# Allegro board IMX28x_TEST_V10A.brd (continued)
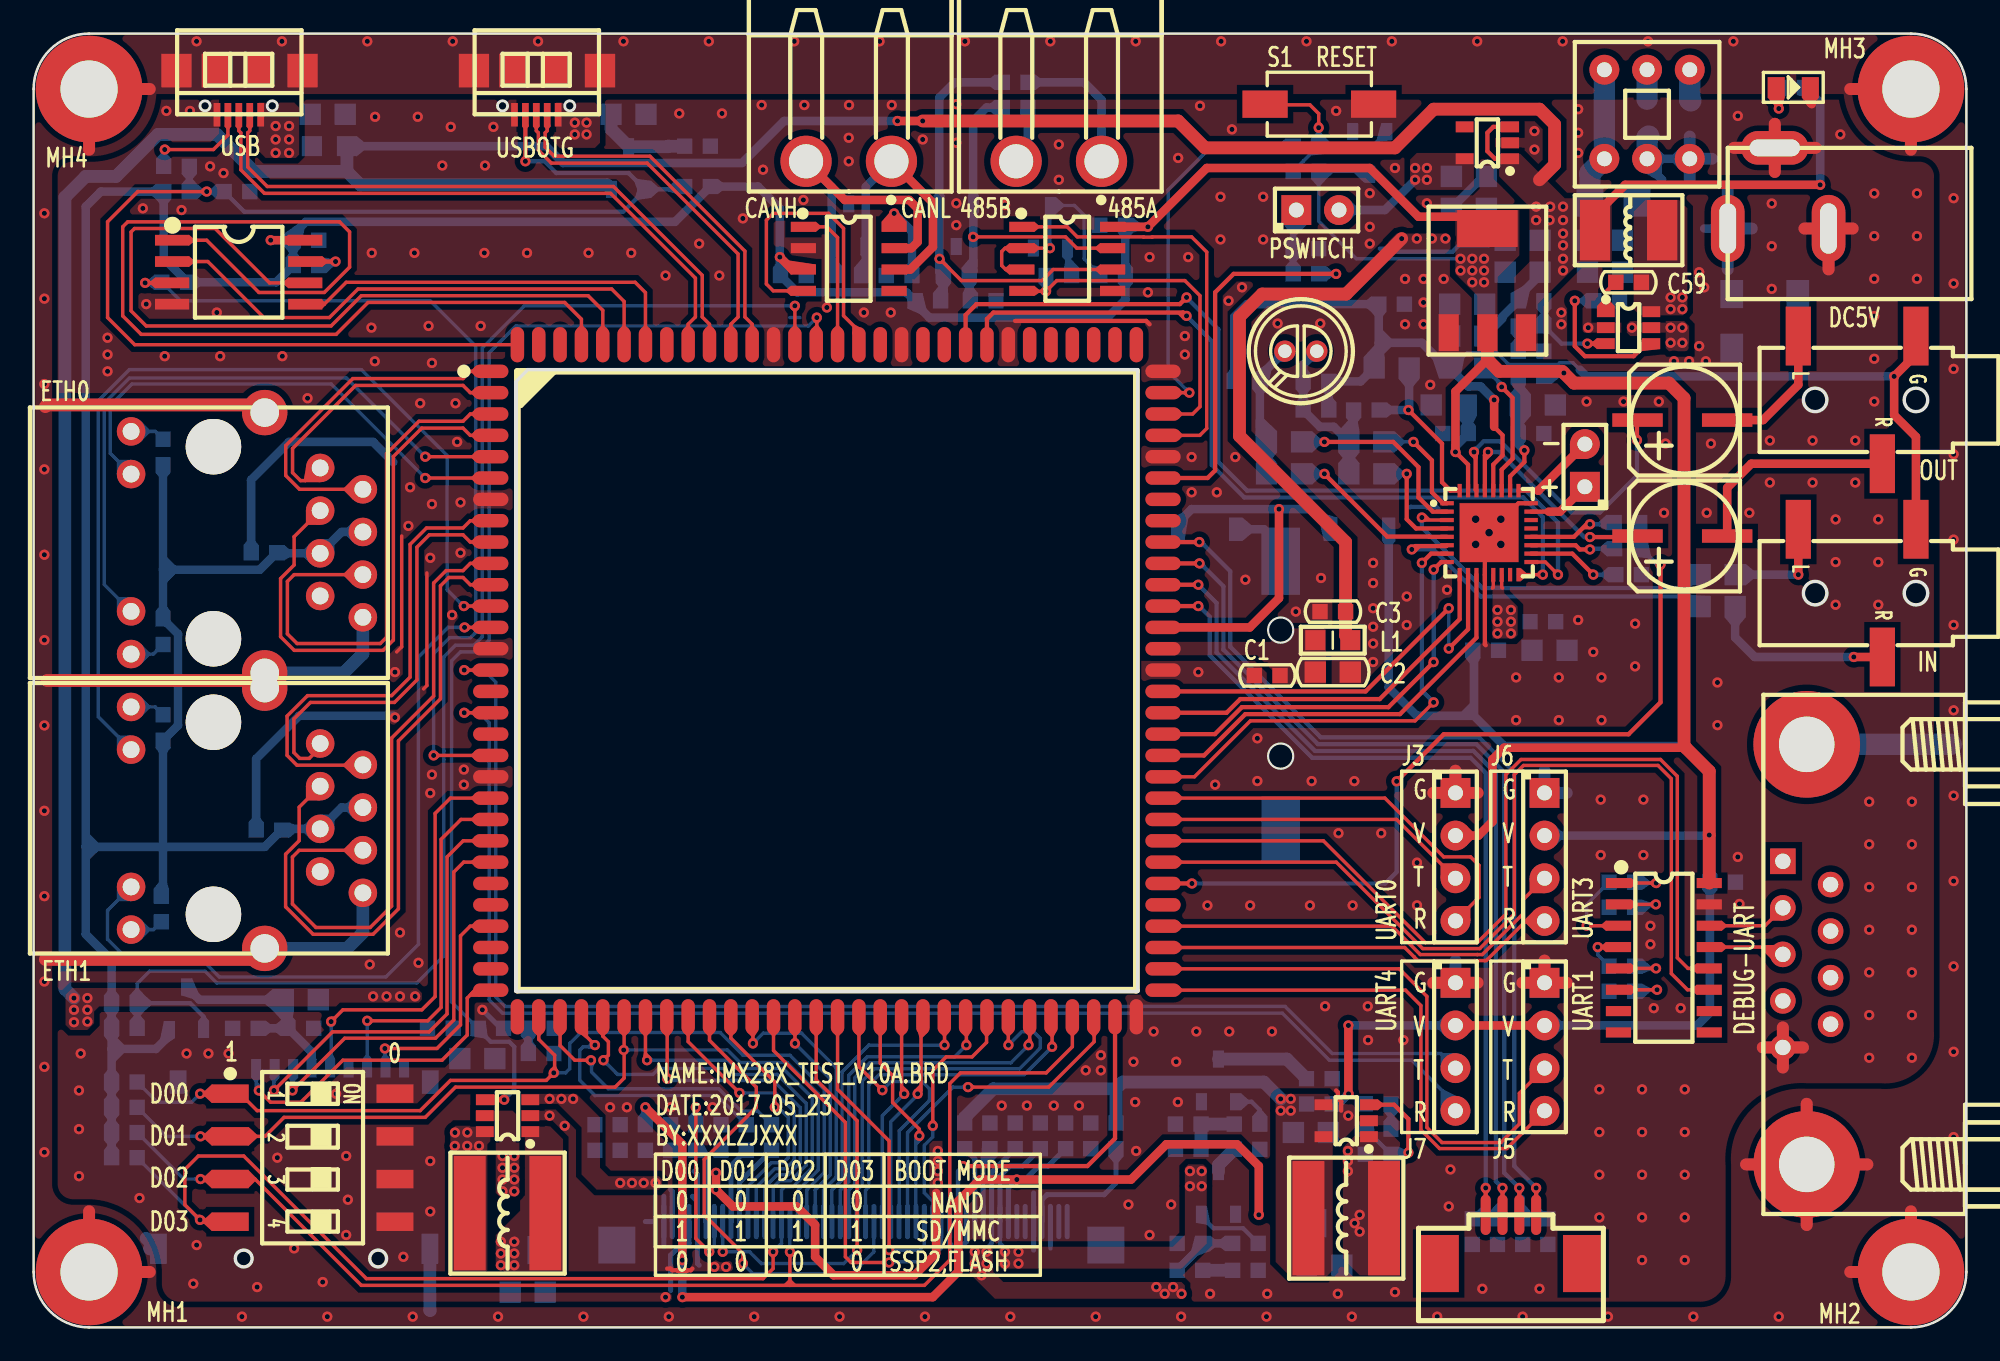
[diagram p0: board, top side]
## Routing (per net, layer and track width the routed paths; a pad name or vN(x,y) marks a point on that pad's centre or on a via; arc(x,y) is an arc through that point) (continued)
SD0_DATA3: length 25.9
  TOP w0.203: v1(14.3,14.1) 17.79,17.59 23.53,17.59 24.6,18.66 24.6,28 25.56,28.96 U1.23
  BOTTOM w0.203: v1(14.3,14.1) 14.3,15.38 U9.2
SD0_PWR_EN: length 87
  TOP w0.203: U1.107 v1(45.3,60.8)
  BOTTOM w0.203: v1(45.3,60.8) 29.2,60.8 26.7,58.3 26.7,41.1 26.2,40.6 25.1,40.6 24.4,39.9 24.4,34.3 24.41,34.29 24.41,33.79 24.4,33.78 24.4,22.1 22.8,20.5 10.9,20.5 10.2,21.2 6.9,21.2 6.16,20.46 R34.1
  BOTTOM w0.254: Q2.1 10.12,18.49 9.31,19.3 R34.1 C30.1
SSP2_MISO: length 31.9
  TOP w0.203: 8.24,63.44 10.37,63.44 13.7,60.1 17.6,60.1 19.3,61.8 34.39,61.8 35.13,61.06 U1.115
SSP2_MOSI: length 24.1
  TOP w0.203: U1.114 36.41,61.58 35.79,62.2 18.6,62.2 17.3,60.9 16.16,60.9
SSP2_SCK: length 48.1
  TOP w0.203: U10.6 14.04,62.16 10.8,65.4 6,65.4 5.8,65.2 5.8,60.5 6.7,59.6 17.7,59.6 19.5,61.4 33,61.4 33.87,60.53 U1.116
SSP2_SS0: length 64.2
  TOP w0.203: U10.1 8.24,64.7 10.3,64.7 13.41,61.59 17.29,61.59 18.8,63.1 18.8,65.2 18.2,65.8 5.6,65.8 5.3,65.5 5.3,60.2 6.4,59.1 18,59.1 19.9,61 31.6,61 32.59,60.01 U1.117
U/D: length 4.5
  BOTTOM w0.3: R24.2 56.5,10.24 J1.40
UART0_RXD: length 24.3
  TOP w0.203: U1.70 80.4,31.5 83.9,28 85.5,28 86,27.5 86,25.59 J3.4
UART0_TXD: length 18.8
  TOP w0.203: U1.69 81.1,30.23 J3.3
UART1_RXD: length 31.9
  TOP w0.203: J5.4 87.65,10.64 83.65,10.64 82.54,11.75 82.54,19.16 81.63,20.07 U1.61
UART1_TXD: length 34.5
  TOP w0.203: J5.3 88.4,13.93 88.4,12.1 87.3,11 83.8,11 82.9,11.9 82.9,19.7 81.26,21.34 U1.62
UART2_RXD: length 24.9
  TOP w0.203: U1.87 69.39,53.09 69.8,53.5 69.8,64 68.9,64.9 66.56,64.9 66.55,64.89 66.05,64.89 66.04,64.9 62.1,64.9 61.5,65.5 U6.1
UART2_TXD: length 21.2
  TOP w0.203: U6.4 58.83,61.66 v1(60.24,61.66) 60.88,62.3 68.5,62.3 69.4,61.4 69.4,54.8 68.96,54.36 U1.88
  BOTTOM w0.203: R30.1 v1(60.24,61.66)
UART3_RXD: length 24
  TOP w0.203: U1.63 81.58,22.61 82.15,22.04 82.36,21.83 85.75,21.83 86.43,21.83 88.79,24.19 J6.4
UART3_TXD: length 25.8
  TOP w0.203: J6.3 88.6,25.43 88.6,24.59 86.19,22.19 85.9,22.19 82.51,22.19 80.81,23.88 U1.64
UART4_RXD: length 80.3
  TOP w0.203: U1.17 v1(25.62,36.58)
  BOTTOM w0.203: v1(25.62,36.58) 26.52,36.58 27.1,36 27.1,19.5 27.9,18.7 74.3,18.7 77.1,15.9 82,15.9 84.6,13.3 J7.4
UART4_TXD: length 81.3
  TOP w0.203: U1.15 v1(25.62,39.12)
  BOTTOM w0.203: v1(25.62,39.12) 26.78,39.12 27.5,38.4 27.5,19.67 28.07,19.1 74.47,19.1 77.27,16.3 83.73,16.3 J7.3
USB_DM: length 37.2
  TOP w0.203: U1.111 40.22,59.7 39.78,60.14 39.78,62.62 34.5,67.9 13.9,67.9 12.74,69.06 12.74,71.1 12.86,71.22 USB1.2
USB_DP: length 37.2
  TOP w0.203: U1.112 38.95,59.7 39.38,60.14 39.38,62.45 34.33,67.49 13.73,67.49 12.33,68.89 12.33,71.1 12.21,71.22 USB1.3
USBOTG_DM: length 22.2
  TOP w0.203: USB2.2 30.56,71.22 30.44,71.1 30.44,70.24 30.97,69.7 36.67,69.7 42.32,64.05 42.32,60.14 42.76,59.7 42.76,58.48
USBOTG_DP: length 22.2
  TOP w0.203: U1.110 41.48,59.7 41.92,60.14 41.92,63.88 36.51,69.29 30.81,69.29 30.03,70.07 30.03,71.1 29.91,71.22 USB2.3
USBOTG_ID: length 80.1
  TOP w0.203: v1(10.3,67.6) 6.2,67.6 4.4,65.8 4.4,60.1 6.01,58.48 U1.120
  TOP w0.254: USB2.4 v1(29.26,69.4)
  BOTTOM w0.254: Q3.1 38.57,67.73 R39.1 ; Q3.1 36.37,67.73 35.4,68.7 31.1,68.7 30.4,69.4 v1(29.26,69.4) ; Q3.1 35.09,66.4 12.54,66.4 R37.1 v1(10.3,67.6) R38.1 R36.2
USBOTG_VBUS: length 5.7
  BOTTOM w0.762: C34.1 34.36,71.31 Q3.3 37.74,70.27 37.77,70.3 R40.2
  vias: v1(32.2,71.7) v1(32.2,71) v1(32.9,71.7) v1(32.9,71)
V_LED+: length 6.6
  BOTTOM w0.3: 37.5,7.8 J1.2 37.5,4.8 ; J1.1 36.4,6.3 ; J1.1 37,7.8 ; J1.1 37,4.8
  vias: v1(27.9,10.2) v1(27.9,9.5) v1(27.9,8.8) v1(27.9,8.1) v1(28.6,10.2) v1(28.6,9.5) v1(28.6,8.8) v1(28.6,8.1)
V_LED-: length 4.8
  BOTTOM w0.3: J1.4 38.5,7.7 ; J1.3 38,7.8 38,8.1 37.9,8.2
  BOTTOM w0.508: R7.2 R8.2
  vias: v1(30.7,13.6) v1(31.4,13.6) v1(32.1,13.6) v1(34.9,8.6) v1(35.6,8.6) v1(36.3,8.6) v1(37,8.6)
V_LED_L:
  vias: v1(27.8,5.1) v1(27.8,4.4) v1(27.8,3.7) v1(28.6,5.1) v1(28.6,4.4) v1(28.6,3.7)
VCOM: length 9.5
  BOTTOM w0.3: 39.6,3.7 39.5,3.8 J1.6 39.5,7.5 ; 59.5,8 J1.46 59.5,4.6 ; 39.3,9.3 39.5,9.1 39.5,7.5 ; 39.5,7.5 39.2,7.8
VGH: length 10.8
  BOTTOM w0.254: J1.41 57,5 56.7,4.7 v1(56.7,4.5)
  BOTTOM w0.3: C18.2 57,9.24 J1.41
  BOTTOM w0.508: R13.1 C9.2 69.56,4.92 R14.2
  vias: v1(56,4.5) v1(56,3.8) v1(56.4,3.1) v1(56.7,3.8) v1(66.8,2.4) v1(67.3,2) v1(67.8,2.4) v1(68.3,2)
VGL: length 10.8
  BOTTOM w0.254: J1.42 57.5,5 57.7,4.8
  BOTTOM w0.3: J1.42 57.5,9 58.1,9.6 58.86,9.6 C19.2
  BOTTOM w0.762: C7.2 R12.2 R11.1
  vias: v1(57.8,4.5) v1(57.8,3.8) v1(58.6,4.5) v1(58.6,3.8) v1(68.8,9.3) v1(68.8,8.4) v1(69.5,9.3) v1(69.5,8.4)
N13700908: length 6.4
  TOP w0.203: USB1.4 11.56,70.96 10.7,70.1 v1(7.8,70.1)
  BOTTOM w0.203: R36.1 7.74,70.04 v1(7.8,70.1)
N13770851:
  vias: v1(14.4,71.5) v1(14.4,70.7) v1(14.4,69.9) v1(15.2,71.5) v1(15.2,70.7) v1(15.2,69.9)
N13785961: length 11.9
  TOP w0.203: v1(76.46,71.4) 76.46,72.24 75.94,72.76 73.31,72.76 S1.1
  BOTTOM w0.203: 75.56,69.42 76.44,70.3 R57.2 ; 75.56,69.42 75.58,69.42 ; 75.56,69.42 R1.2 ; R57.2 v1(76.46,71.4) ; R57.2 79.65,70.3 U23.2
N16209172: length 2.1
  BOTTOM w0.203: J10.9 7.24,53.33 R43.2
N16209176: length 2.1
  BOTTOM w0.203: R44.2 7.14,40.08 J10.12
N16267355: length 4
  BOTTOM w0.508: BAT1.1 74.2,46.5 73.2,47.5 D9.1
N16371192: length 3.6
  TOP w0.203: U4.1 v1(96.55,26.45)
  BOTTOM w0.203: C23.1 95.32,26.45 v1(96.55,26.45)
N16371196: length 3.6
  TOP w0.203: U4.5 v1(96.53,21.36)
  BOTTOM w0.203: C27.2 95.4,21.36 v1(96.53,21.36)
N16371208: length 2.6
  TOP w0.203: U4.4 v1(93.06,22.64)
  BOTTOM w0.203: v1(93.06,22.64) 93.06,22.17 C27.1
N16371212: length 5
  TOP w0.203: U4.3 v1(92.41,23.91)
  BOTTOM w0.203: v1(92.41,23.91) 92.41,25.17 C23.2
N16371216: length 4.6
  TOP w0.203: J4.3 103.64,22.64 U4.13
N16371228: length 4.8
  TOP w0.203: U4.14 103.02,23.91 J4.2
N16371252: length 3.7
  TOP w0.203: U4.6 v1(96.59,20.09)
  BOTTOM w0.203: v1(96.59,20.09) 95.36,20.09 C25.2
N16774335: length 2.1
  BOTTOM w0.203: J11.9 7.24,36.92 R45.2
N16774339: length 2
  BOTTOM w0.203: R46.2 7.14,23.68 J11.12
N16775756: length 7.4
  TOP w0.254: v1(88.7,52.2) 88.7,51.5 87.85,50.65 U14.26
  BOTTOM w0.508: v1(88.7,52.2) 88.34,52.56 C45.1 88.34,54.78 C46.1 88.46,56.48 R50.1
N16775832: length 5.3
  TOP w0.254: U14.20 91.65,47.05 92.4,47.8 v1(92.6,47.8)
  BOTTOM w0.254: C51.1 93.94,47.8 v1(92.6,47.8)
N16775856: length 5.1
  TOP w0.254: U14.19 91.75,46.55 92,46.3 v1(92.6,46.3)
  BOTTOM w0.254: C54.1 92.64,46.34 v1(92.6,46.3)
N16775910: length 5.6
  TOP w0.254: U14.18 91.55,46.05 v1(92.8,44.8)
  BOTTOM w0.254: v1(92.8,44.8) R51.1
N16775940: length 1.6
  TOP w0.203: U14.14 87.35,44.05 87.4,44 ; 86.8,44 86.85,44.05 U14.13
  vias: v1(87.1,42.7) v1(87.1,42) v1(87.1,41.3) v1(87.9,42.7) v1(87.9,42) v1(87.9,41.3)
N16776264: length 20.8
  TOP w0.254: U14.6 84.05,46.5 82.2,46.5 v1(82,46.3)
  BOTTOM w0.254: v1(82,46.3) 83.3,46.3 86.1,43.5 98.56,43.5 C53.1
N16776268: length 10.2
  TOP w0.254: v1(76.8,50.8) 80.53,47.07 83.02,47.07 83.04,47.05 U14.5
  BOTTOM w0.203: v1(76.8,50.8) C52.1
N16776300: length 6.7
  TOP w0.254: U14.4 82.25,47.55 81.7,48.1 v1(81.7,50.8)
  BOTTOM w0.203: v1(81.7,50.8) C50.1
N16776312: length 20.5
  TOP w0.203: U14.3 82.75,48.05 v1(82.6,48.2)
  BOTTOM w0.254: C49.1 98.36,44 86.2,44 82.6,47.6 v1(82.6,48.2)
N16776324: length 11.4
  TOP w0.254: U14.2 83.25,48.55 82.4,49.4 82.4,51.2 80.9,52.7 v1(76.8,52.7)
  BOTTOM w0.203: v1(76.8,52.7) C48.1
N16776336: length 6.4
  TOP w0.254: v1(82.1,52.7) 83.2,51.6 83.2,49.7 83.85,49.05 U14.1
  BOTTOM w0.203: v1(82.1,52.7) C47.1
N16776356: length 6.5
  TOP w0.508: v1(105,44.8) U13.2
  BOTTOM w0.508: C49.2 v1(105,44.8)
N16776368: length 11.1
  TOP w0.508: v1(108.3,39.9) U13.1
  BOTTOM w0.508: C53.2 101.24,41.06 102.4,39.9 v1(108.3,39.9)
N16776380: length 11.3
  BOTTOM w0.508: C47.2 78.54,52.98 R47.1 ; C47.2 77.36,53.6 76.54,53.6 R48.2 C42.1 75.54,57.29 U12.1 ; C47.2 C50.2
N16776396: length 8.1
  BOTTOM w0.508: C52.2 C48.2 72.96,53.1 R49.1 72.96,56.61 U12.2
N16776472: length 12.7
  TOP w0.508: C38.2 100.77,49.97 102.2,51.4 U11.1
N16776476: length 8
  TOP w0.508: C39.2 102.9,54 105,56.1 U11.2
N16776480: length 13.4
  TOP w0.254: C38.1 95.37,47.04 v1(92.6,47.04) ; U14.29 86.35,51.91 86.44,52 v1(86.54,52.1)
  BOTTOM w0.254: v1(92.6,47.04) 92.26,47.04 87.2,52.1 v1(86.54,52.1)
N16776488: length 18.3
  TOP w0.254: C39.1 95.4,53.97 v1(95.4,52.8) ; U14.30 85.8,49.85 85.8,52 v1(85.7,52.1)
  BOTTOM w0.254: v1(95.4,52.8) 95.4,50.7 93.2,48.5 91.5,48.5 87.27,52.73 86.27,52.73 85.7,52.16 v1(85.7,52.1)
N16776536: length 8.3
  TOP w0.254: v1(87.35,55.97) 88,55.32 88,51.7 87.35,51.05 U14.27
  BOTTOM w0.254: v1(87.35,55.97) 87.35,56.09 C44.2
N16776624: length 10.6
  TOP w0.254: v1(81.8,54.6) 83.8,52.6 83.8,50.3 84.3,49.8 U14.32
  BOTTOM w0.508: C43.1 81.84,54.64 v1(81.8,54.6) R47.2
N16777489: length 2.9
  TOP w0.254: 16.16,63.44 v1(17.96,63.44)
  BOTTOM w0.254: R42.1 17.2,63.44 v1(17.96,63.44)
N16783317: length 13.9
  TOP w0.203: U6.3 57.84,62.96 57.6,63.2 57.6,64.03 57.8,64.23 U6.2 v1(60.47,64.23)
  BOTTOM w0.203: v1(60.47,64.23) 60.47,66.74 Q1.3 61.93,66.77 62.5,66.2 62.5,63.6 63.44,62.66 R28.1
N16783369: length 27.6
  TOP w0.203: v1(53.9,63.6) 55.2,62.3 60,62.3 60.66,62.96 U6.6
  BOTTOM w0.203: 53.88,63.7 53.9,63.68 v1(53.9,63.6)
  BOTTOM w0.508: R29.2 54.8,74.1 53.88,73.18 U5.1 53.88,62.85 R27.1 54.14,61.28 R31.2
N16783371: length 21.5
  TOP w0.203: U6.7 62.07,64.23 61.4,64.9 v1(55.9,64.9)
  BOTTOM w0.203: 55.92,64.88 v1(55.9,64.9)
  BOTTOM w0.508: R26.2 56.7,72.6 55.9,71.8 55.9,66.89 U5.2 55.92,62.85 R27.2 55.66,61.18 R25.1
N16783519: length 4.9
  TOP w0.508: U7.8 v1(51.2,66.3)
  BOTTOM w0.508: R32.2 52.26,65.24 v1(51.2,66.3)
N16786400: length 4.6
  BOTTOM w0.3: R60.1 41.5,9.64 J1.10
N16786402: length 5
  BOTTOM w0.3: J1.11 42,8.64 R61.1
N16794842:
  vias: v1(78.2,10.5) v1(78.2,9.9) v1(78.2,9.3) v1(78.6,6.2) v1(78.9,6.7) v1(78.9,5.7)
N16795033: length 1.5
  BOTTOM w0.254: R17.1 R18.2
N16795278: length 7.9
  TOP w0.254: v1(81.8,10.4) 81.8,12.4 80.95,13.25 U3.3
  BOTTOM w0.254: v1(81.8,10.4) 80.86,10.4 R16.1 79.26,11.8 R17.2
N16795987: length 1.8
  BOTTOM w0.762: R14.1 R15.2
N16796266: length 4.2
  BOTTOM w0.254: D5.2 69.48,6.62 70.2,5.9 71.96,5.9 R13.2
N16797229: length 2.5
  BOTTOM w0.254: R11.2 72.96,12.94 72.47,13.43 D4.1
N16798591: length 20.8
  BOTTOM w0.508: U15.6 U15.5 96,69.2 96.9,68.3 ; DC1.1 99.4,65.4
  BOTTOM w0.711: U15.6 98.54,70.87 ; U15.6 98.54,68.23 ; U15.6 99.86,69.55 ; 100.8,62.97 DC1.1 ; DC1.1 100.8,67.83 ; DC1.1 102.23,65.4
  BOTTOM w1.27: U15.2 96,73.1 ; U15.5 96,70.8 96.1,70.9 ; 98.6,73 98.54,73.06 U15.1
N16798604:
  vias: v1(95.1,59.5) v1(97.4,59.5) v1(97.4,58.6) v1(98.1,59.5) v1(98.1,58.6)
N16798618:
  vias: v1(97.4,61.3) v1(97.4,60.6) v1(98.1,61.3) v1(98.1,60.6)
N16798622: length 5.6
  TOP w0.254: U16.3 v1(92.45,58.55)
  BOTTOM w0.254: R56.1 R54.2 90.91,58.55 v1(92.45,58.55)
N16798699: length 2
  TOP w0.254: C59.2 93.55,61.61 U16.1
N16798719: length 9
  TOP w0.254: U16.4 95.95,58.55 95.2,57.8 92.3,57.8 91.7,58.4 v1(91.7,61.1)
  BOTTOM w0.254: v1(91.7,61.1) R55.1
N16798977: length 1.5
  BOTTOM w0.254: R54.1 R53.2
N16799346: length 8.2
  BOTTOM w1.27: F1.1 92.6,68.69 U15.4 U15.3
N16804520: length 3.9
  BOTTOM w0.254: R59.2 R58.1 74.94,66.31 J13.1
N16806519: length 2.6
  TOP w0.508: v1(103.84,72.54) 103.84,73.65 D10.1
  BOTTOM w0.508: R72.1 v1(103.84,72.54)
N163713028: length 3.6
  TOP w0.203: U4.2 v1(96.53,25.18)
  BOTTOM w0.203: v1(96.53,25.18) 95.44,25.18 C24.2
N167832841: length 1.7
  BOTTOM w0.203: R30.2 61.52,62.85 Q1.1
N167955290: length 1.7
  BOTTOM w0.762: D5.3 70.5,9.66 C8.1
N167971860: length 5.7
  BOTTOM w0.762: C6.1 74.57,15.97 D4.3

## Copper pours and planes (outline as drawn; the poured copper is in the pictures)
AGND on BOTTOM (solid shape): 85.03,57.84 85.11,57.8 85.14,57.72 84.89,56.47 84.24,57.08 83.62,57.73
AGND on BOTTOM (solid shape): 84.89,57.73 84.31,57.06 83.62,56.47 83.21,57.7 83.27,57.9 83.47,57.99
AVDD on BOTTOM: 71.1,7.2 77.2,7.2 78.8,8.8 78.8,10.8 79.7,10.8 79.7,8.4 77,5.7 77,5 76.4,4.4 76.4,3 75.1,3 75.1,5.1 74,6.2 71.1,6.2
GND on BOTTOM: 1.3,68.4 1.57,69.16 2.3,69.5 3.3,69.5 6.09,70.56 7.5,73.2 107.5,73.2 108.91,70.57 111.7,69.5 112.1,69.5 112.86,69.23 113.2,68.5 113.2,17.6 112.21,15.32 109.9,14.4 105.5,14.4 102.05,13.15 100.8,9.7 100.8,3.2 100.37,1.97 99.2,1.4 8.7,1.4 7.83,1.87 7.5,2.8 7.5,3.3 6.18,6.25 3.2,7.5 2.3,7.5 1.6,7.87 1.3,8.6 ; 40 cut-outs
GND_EARTH on TOP: 3.3,0.1 1.04,1.04 0.1,3.3 0.1,73.4 0.11,73.98 0.21,74.55 1.36,76.25 3.3,76.9 111.7,76.9 113.96,75.96 114.9,73.7 114.9,3.3 113.95,1.05 111.7,0.1 ; 1 cut-out
GND_EARTH on BOTTOM: 3.3,0.1 1.04,1.04 0.1,3.3 0.1,73.4 0.11,73.98 0.21,74.55 1.36,76.25 3.3,76.9 111.7,76.9 113.96,75.96 114.9,73.7 114.9,3.3 113.95,1.05 111.7,0.1 ; 1 cut-out
VCC_2.5V_OUT on TOP: 85.7,69.9 82.3,69.9 81.9,69.5 81.9,68.1 82.3,67.7 85.5,67.7 85.7,67.9
VCC_2.5V_OUT on BOTTOM: 85.1,67.7 85.1,69.2 84.9,69.4 82.2,69.4 81.9,69.1 81.9,68.1 82.3,67.7
VCC_3.3V_OUT on TOP: 84.6,66.5 88.4,66.5 88.4,63.8 87.1,62.5 87.1,58.1 85.9,58.1 85.9,61.4 84.6,62.7
VCC_3.3V_OUT on BOTTOM: 87,60.3 87,63.5 86.5,64 84.8,64 84.6,63.8 84.6,62.7 85.7,61.6 85.7,60.3
VCC_3.8V_OUT on TOP: 89.5,58.1 89.5,60.9 92,63.4 93.8,63.4 93.9,63.5 93.9,67.2 91.1,67.2 88.4,69.9 87.2,69.9 87.2,68.5 89,66.7 89,63.4 88.1,62.5 88.1,58.1
VCC_3.8V_OUT on TOP: 3.9,19.1 22.9,19.1 23.1,19.3 23.1,19.9 22.8,20.2 2.3,20.2 1.9,19.8 1.9,18 2.2,17.7 3.2,17.7 3.6,18.1 3.6,18.8
VCC_3.8V_OUT on TOP: 84.1,65.1 81.1,65.1 80.6,64.6 80.6,64.2 80.9,63.9 84,63.9 84.3,64.2 84.3,64.9
VCC_3.8V_OUT on BOTTOM: 23.9,17.3 23.9,19.7 23.4,20.2 20.1,20.2 19.8,19.9 19.8,19.3 20.1,19 22.1,19 22.9,18.2 22.9,17.3
VCC_3.8V_OUT on BOTTOM: 89,62.1 90.7,62.1 91.3,62.7 91.3,66.9 90.9,67.3 85.7,67.3 85.7,65.9 88.4,65.9 89,65.3
VCC_3.8V_OUT on BOTTOM: 87,67.2 85.9,67.2 85.8,67.3 83.6,65.1 81.2,65.1 81.1,65 81.1,64.5 81.2,64.4 84.2,64.4 84.6,64.8 86.3,64.8 87,65.5
VCC_3.8V_OUT on BOTTOM: 2.2,17.7 3.4,17.7 3.6,17.9 3.6,19.8 3.4,20 2.2,20 2,19.8 2,17.9
VCC_RTC on BOTTOM (solid shape): 68.45,48.53 68.64,48.46 68.73,48.27 68.47,46.8 67.96,47.27 67.67,48.2
VCC_RTC on BOTTOM (solid shape): 77.57,48.2 77.21,47.45 76.77,46.8 76.45,48.19 76.52,48.37 76.7,48.45
VDD_3P3V on TOP: 77.3,13.6 77.3,3.4 76.9,3 74.8,3 73.9,3.9 73.9,13.4 74.4,13.9 77,13.9
VDD_3P3V on TOP: 54.3,7.7 54.3,10.9 54.1,11.1 53.5,11.1 53.3,10.9 53.3,7.9 53.6,7.6 54.2,7.6
VDD_3P3V on BOTTOM: 55.8,12.6 54.1,12.6 53.2,11.7 53.2,8 53.7,7.5 54.3,7.5 54.4,7.6 54.4,11 55.1,11.7 55.9,11.7 55.9,12.5
VDD_3P3V on BOTTOM: 38.9,11.1 41.4,11.1 41.4,9.4 41.1,9.1 41.1,8.1 40.8,7.8 40.1,7.8 39.9,8 39.9,9 40,9.1 38.9,10.2
VDD_3P3V on BOTTOM: 75.6,10.9 75.6,12.2 76.2,12.8 76.2,13.8 76.1,13.9 74.1,13.9 73.9,13.7 73.9,11.2 74.2,10.9
VDD_5V on TOP: 27,3.4 27,10.9 27.4,11.3 27.4,12 25.1,12 24.8,11.7 24.8,3.3 26.9,3.3
VDD_5V on BOTTOM: 24.5,18.3 24.5,11 25,10.5 26.6,10.5 26.8,10.7 26.8,11.5 26,12.3 26,16.7 25.4,17.3 25.4,18.3
VDD_CORE on TOP: 66.4,40 72.8,40 73.7,39.1 73.7,38.3 76.9,38.3 76.9,41.5 76.8,41.6 74.4,41.6 73.6,40.8 66.4,40.8
(no net) on TOP: 8.7,1.4 7.83,1.87 7.5,2.8 7.5,3.3 6.18,6.25 3.2,7.5 2.3,7.5 1.6,7.87 1.3,8.6 1.3,22.1 21.2,22.1 21.2,54.9 1.3,54.9 1.3,68.4 1.57,69.16 2.3,69.5 3.3,69.5 6.09,70.56 7.5,73.2 107.5,73.2 108.91,70.57 111.7,69.5 112.1,69.5 112.86,69.23 113.2,68.5 113.2,17.6 112.21,15.32 109.9,14.4 105.5,14.4 102.05,13.15 100.8,9.7 100.8,3.2 100.37,1.97 99.2,1.4 ; 54 cut-outs
LCD_D00 on TOP (solid shape): 11.73,13.91 10.6,13.36 10.07,13.85 10.05,13.91 10.07,13.97 10.6,14.46
LCD_D01 on TOP (solid shape): 11.73,11.37 10.6,10.82 10.07,11.31 10.05,11.37 10.07,11.43 10.6,11.92
LCD_D01 on TOP (solid shape): 13.33,11.43 13.35,11.37 13.33,11.31 12.8,10.82 11.67,11.37 12.8,11.92
LCD_D02 on TOP (solid shape): 13.25,8.89 13.27,8.83 13.25,8.77 12.8,8.32 11.67,8.83 12.8,9.34
LCD_D02 on TOP (solid shape): 11.73,8.83 10.6,8.28 10.07,8.77 10.05,8.83 10.07,8.89 10.6,9.38
LCD_D03 on TOP (solid shape): 11.73,6.29 10.6,5.74 10.07,6.23 10.05,6.29 10.07,6.35 10.6,6.84
USBOTG_VBUS on TOP: 31,72.9 33.4,72.9 33.7,72.6 33.7,70.5 33.4,70.2 31.3,70.2 30.9,70.6 30.9,72.8
USBOTG_VBUS on BOTTOM: 35,72.8 35,71.6 35.8,70.8 35.8,69.8 35.7,69.7 35.2,69.7 34.8,70.1 32.1,70.1 31.5,70.7 31.5,72.5 31.8,72.8
V_LED+ on TOP: 26.3,12.9 28.5,12.9 28.9,12.5 28.9,8 28.7,7.8 27.7,7.8 27.5,8 27.5,12.1 27.3,12.3 26.3,12.3
V_LED+ on BOTTOM: 29.8,1.4 31.9,1.4 32.5,2 37,2 37.6,2.6 37.6,5 36.8,5 36.6,5.2 36.6,7.4 36.8,7.6 37.5,7.6 37.6,7.7 37.6,7.9 37.5,8 34.3,8 33.9,8.4 33.9,11 33.8,11.1 28.3,11.1 27.6,10.4 27.6,7.2 29.4,5.4 29.4,3.2 29.8,2.8
V_LED- on TOP: 37.2,8.2 33.5,8.2 32.6,9.1 32.6,11.9 31.2,13.3 29,13.3 29,13.9 32.3,13.9 33.7,12.5 33.7,9.5 34.2,9 37.2,9 37.4,8.8 37.4,8.4
V_LED- on BOTTOM: 29,16.8 29,14.5 30.2,13.3 32.2,13.3 32.5,13.6 32.5,14.2 32.2,14.5 30.4,14.5 29.9,15 29.9,16.8
V_LED- on BOTTOM: 38.7,7.6 38.7,8.2 38,8.9 34.8,8.9 34.6,8.7 34.6,8.5 34.8,8.3 37.5,8.3 37.8,8 37.8,7.6
V_LED_L on TOP: 29,12 30.7,12 31.5,11.2 31.5,3.3 28,3.3 27.5,3.8 27.5,5.5 28.95,6.95 28.95,11.95
V_LED_L on BOTTOM: 25.4,5.5 28.7,5.5 29,5.2 29,3.6 28.8,3.4 25.7,3.4 25.4,3.7
VCOM on BOTTOM: 39.3,5 39.3,2.1 39.8,1.6 59.1,1.6 59.7,2.2 59.7,5 59.3,5 59.3,2.6 58.8,2.1 40.2,2.1 39.7,2.6 39.7,5
VCOM on BOTTOM: 62.4,11.1 63.4,11.1 63.4,9 62.7,8.3 60.2,8.3 59.7,7.8 59.7,7.5 59.3,7.5 59.3,8.5 60,9.2 61.4,9.2 62.4,10.2
VCOM on BOTTOM: 34.4,11 38.6,11 38.7,10.9 38.7,10.1 39.7,9.1 39.7,7.7 39,7.7 38.9,7.8 38.9,8.4 38,9.3 34.6,9.3 34.4,9.5
VGH on TOP: 55.9,4.9 56.9,4.9 57.1,4.7 57.1,3.3 57.7,2.7 68.3,2.7 68.5,2.5 68.5,1.9 68.3,1.7 57.2,1.7 55.7,3.2 55.7,4.7
VGH on BOTTOM: 57.1,5.1 57.1,3.2 56.7,2.8 56.1,2.8 55.7,3.2 55.7,4.7 56.1,5.1
VGH on BOTTOM: 68.5,3.8 68.5,1.9 68.3,1.7 66.8,1.7 66.5,2 66.5,3.6 66.7,3.8
VGL on TOP: 57.6,3.5 68.3,3.5 69.8,5 69.8,9.5 69.6,9.7 68.7,9.7 68.5,9.5 68.5,5.5 67.8,4.8 57.6,4.8 57.4,4.6 57.4,3.7
VGL on BOTTOM: 69.9,11 69.9,8.3 69.6,8 68.7,8 68.5,8.2 68.5,9.8 69,10.3 69,11.1 69.8,11.1
VGL on BOTTOM: 57.3,5.1 57.3,3.7 57.6,3.4 58.8,3.4 59.1,3.7 59.1,4.9 58.9,5.1
N13770851 on TOP: 13.3,72.9 13.3,70.1 13.8,69.6 15.6,69.6 15.8,69.8 15.8,72.6 15.5,72.9
N13770851 on BOTTOM: 17.2,69.6 14.2,69.6 13.9,69.9 13.9,72.1 14.7,72.9 17.2,72.9
N16775940 on TOP: 86.7,44.2 86.7,41.1 86.8,41 88.1,41 88.3,41.2 88.3,42.9 87.5,43.7 87.5,44.2
N16775940 on BOTTOM: 86.7,39.5 89.7,39.5 89.8,39.6 89.8,41.2 89.5,41.5 89.5,42.7 88.4,42.7 88,43.1 86.9,43.1 86.7,42.9
N16776264 on BOTTOM (solid shape): 99.79,43.53 99.19,42.89 98.76,42.45 97.79,43.42 97.77,43.55 97.89,43.63
N16776396 on BOTTOM (solid shape): 72.71,54 72.85,54.2 73.1,54.19 73.99,53.34 73.38,52.64 72.72,52.06
N16794842 on TOP: 78.9,11.7 80.6,11.7 81.3,11 81.3,3.1 78.9,3.1 77.9,4.1 77.9,10.7
N16794842 on BOTTOM: 78.5,5.3 81.8,5.3 83.2,6.7 83.2,14.1 82,15.3 76.8,15.3 76.8,14.3 81.7,14.3 82.3,13.7 82.3,7.8 81.6,7.1 78.9,7.1 78.3,6.5 78.3,5.5
N16794842 on BOTTOM: 72.5,11.1 72.5,9.6 73.2,8.9 78.1,8.9 78.6,9.4 78.6,10.6 78.4,10.8 73.7,10.8 73.4,11.1
N16798591 on BOTTOM: 100.3,60.5 102.6,60.5 102.6,67.5 100.4,69.7 100.4,72.6 99.5,73.5 95.4,73.5 95,73.1 95,69.4 96.5,67.9 98.6,67.9 99.2,67.3 99.2,63.6 100.1,62.7 100.1,60.7
N16798604 on TOP: 97.3,58.1 97.1,58.3 97.1,59 95,59 94.8,59.2 94.8,59.7 95,59.9 98.2,59.9 98.5,59.6 98.5,58.1
N16798604 on BOTTOM: 97.4,58 97.1,58.3 97.1,58.7 96.9,58.9 94.5,58.9 93.8,59.6 93.8,65.4 94.5,66.1 94.5,67.9 96.3,67.9 96.3,65.6 95.3,64.6 95.3,60.4 95.7,60 98,60 98.4,59.6 98.5,59.6 98.5,58.2 98.3,58
N16798618 on TOP: 95.7,60.1 98,60.1 98.4,60.5 98.4,66.6 97.9,67.1 95.9,67.1 95.2,66.4 95.2,60.6
N16798618 on BOTTOM: 101.8,57.4 101.8,59.7 101.3,60.2 100.2,60.2 98.9,61.5 97.3,61.5 97.1,61.3 97.1,60.5 97.3,60.3 98.2,60.3 100.3,58.2 100.3,57.4
N16804520 on BOTTOM (solid shape): 75.75,65.61 75.02,64.88 74.92,64.85 74.84,64.9 74.38,65.65 75.13,66.53
AGND on BOTTOM (solid shape): 79.89,58.58 80.1,58.62 80.26,58.49 80.39,57.73 79.75,57.04 79.12,57.73
AGND on BOTTOM (solid shape): 80.85,58.78 80.93,58.6 80.85,58.42 80.22,57.79 79.97,58.35 79.97,58.85 80.22,59.41
GND on TOP (solid shape): 106.22,73.19 105.83,72.71 105.72,72.68 105.6,72.71 105.21,73.19 105.72,73.86
VCC_2.5V_OUT on BOTTOM (solid shape): 78.75,66.68 78.82,66.5 78.75,66.32 78.3,65.87 77.61,66.5 78.3,67.13
VCC_3.3V_OUT on TOP (solid shape): 85.68,29.45 85.75,29.27 85.68,29.09 85.23,28.64 84.54,29.27 85.23,29.9
VCC_3.3V_OUT on TOP (solid shape): 85.68,18.15 85.75,17.97 85.68,17.79 85.23,17.34 84.54,17.97 85.23,18.6
VCC_3.3V_OUT on TOP (solid shape): 89.96,17.97 89.27,17.34 88.82,17.79 88.75,17.97 88.82,18.15 89.27,18.6
VCC_3.3V_OUT on TOP (solid shape): 46.55,63.26 46.04,62.88 45.05,62.66 44.6,63.18 44.63,63.41 44.84,63.51
VCC_3.3V_OUT on BOTTOM (solid shape): 79.53,68.63 79.17,68.12 78.52,68.73 78.49,68.82 78.54,68.89 79.17,69.14
VCC_3.3V_OUT on BOTTOM (solid shape): 85.88,54.27 85.54,53.58 85.39,53.51 85.22,53.55 84.61,54.27 85.23,54.96
VCC_3.3V_OUT on BOTTOM (solid shape): 17.11,46.07 16.45,45.47 16.03,45.89 15.95,46.07 16.03,46.25 16.45,46.67
VCC_3.3V_OUT on BOTTOM (solid shape): 17.11,29.67 16.45,29.07 16.03,29.49 15.95,29.67 16.03,29.85 16.45,30.27
VCC_3.3V_OUT on BOTTOM (solid shape): 19.65,47.34 18.99,46.74 18.57,47.16 18.49,47.34 18.57,47.52 18.99,47.94
VCC_3.3V_OUT on BOTTOM (solid shape): 19.65,30.94 18.99,30.34 18.57,30.76 18.49,30.94 18.57,31.12 18.99,31.54
VCC_3.3V_OUT on BOTTOM (solid shape): 84.66,17.97 83.97,17.34 83.52,17.79 83.45,17.97 83.52,18.15 83.97,18.6
VCC_3.3V_OUT on BOTTOM (solid shape): 90.86,57.01 90.97,56.86 90.94,56.67 90.32,56.14 89.8,56.59 90.32,57.06
VCC_3.3V_OUT on BOTTOM (solid shape): 90.98,29.45 91.05,29.27 90.98,29.09 90.53,28.64 89.84,29.27 90.53,29.9
VCC_3.3V_OUT on BOTTOM (solid shape): 90.98,18.15 91.05,17.97 90.98,17.79 90.53,17.34 89.84,17.97 90.53,18.6
VCC_3.3V_OUT on BOTTOM (solid shape): 3.91,28.78 3.99,28.6 3.91,28.42 3.28,27.79 3.04,28.35 3.04,28.85 3.28,29.41
VCC_3.3V_OUT on BOTTOM (solid shape): 5.45,16.75 5.53,16.57 5.45,16.39 4.82,15.76 4.57,16.32 4.57,16.83 4.82,17.39
VCC_3.3V_OUT on BOTTOM (solid shape): 8.11,17.79 8.41,17.22 7.82,16.81 7.6,16.85 7.5,17.05 7.75,18.24
VCC_3.3V_OUT on BOTTOM (solid shape): 8.51,45.28 8.59,45.1 8.51,44.92 7.88,44.29 7.64,44.85 7.64,45.35 7.88,45.91
VCC_3.3V_OUT on BOTTOM (solid shape): 53.15,60.5 53.06,60.31 52.86,60.25 51.98,60.64 52.4,61.15 52.9,61.56
VCC_3.3V_OUT on BOTTOM (solid shape): 15.81,65.73 16.04,65.7 16.15,65.5 15.9,64.24 15.41,64.64 14.98,65.16
VCC_3.8V_OUT on BOTTOM (solid shape): 19.8,70.43 19.84,70.3 19.8,70.17 19.24,69.7 18.58,70.3 19.24,70.9
VCC_3.8V_OUT on BOTTOM (solid shape): 106.11,73.35 106.04,73.17 105.86,73.09 104.9,73.34 105.32,73.84 105.82,74.26
VCC_3.8V_OUT on BOTTOM (solid shape): 88.73,62.04 88.95,62 89.05,61.8 88.8,60.64 88.3,61.05 87.88,61.56
VCC_SD on BOTTOM (solid shape): 14.92,19.5 14.22,18.86 13.62,19.37 13.59,19.5 13.62,19.63 14.22,20.14
VCC_SD on BOTTOM (solid shape): 15.49,18.86 15.36,18.11 15.2,17.98 14.99,18.02 14.22,18.86 14.85,19.56
VCC_SD on BOTTOM (solid shape): 9.86,19.81 9.8,19.6 9.61,19.51 8.77,19.76 9.06,20.31 9.43,20.78
BACKLIGHT_PWM on BOTTOM (solid shape): 27.02,17.3 26.98,17.21 26.89,17.18 25.98,17.34 26.42,17.82 26.9,18.26
CAN_H on BOTTOM (solid shape): 47.23,63.55 47.38,63.75 47.62,63.73 48.2,63.06 47.76,62.54 47.28,62.14
CAN_L on BOTTOM (solid shape): 49.38,63.73 49.62,63.75 49.77,63.55 49.72,62.14 49.24,62.54 48.8,63.06
ETH0_RXN on TOP (solid shape): 19.62,44.8 18.99,44.2 18.46,44.73 18.43,44.8 18.46,44.87 18.99,45.4
ETH0_TXN on TOP (solid shape): 19.62,49.88 18.99,49.28 18.46,49.81 18.43,49.88 18.46,49.95 18.99,50.48
ETH1_RXN on TOP (solid shape): 19.62,28.4 18.99,27.8 18.45,28.32 18.42,28.39 18.45,28.47 18.99,29
ETH1_TXN on TOP (solid shape): 19.62,33.48 18.99,32.88 18.44,33.38 18.41,33.45 18.44,33.53 18.99,34.08
LRADC3 on BOTTOM (solid shape): 88.29,7.5 88.37,7.57 88.48,7.55 89.06,6.92 88.61,6.43 88.14,6.92
LRADC4 on BOTTOM (solid shape): 87.32,7.65 87.44,7.67 87.52,7.58 87.56,6.92 87.09,6.43 86.64,6.92
PWM_AUDIO on BOTTOM (solid shape): 96.24,45.9 96.21,45.8 96.11,45.76 95.13,45.89 95.57,46.36 96.05,46.8
U/D on BOTTOM (solid shape): 56.91,10.67 57.36,10.18 56.59,9.43 56.44,9.41 56.35,9.54 56.44,11.1
UART3_RXD on TOP (solid shape): 89.93,24.19 89.27,23.57 88.72,24.12 88.69,24.19 88.72,24.26 89.27,24.82
UART4_RXD on BOTTOM (solid shape): 83.71,14.09 83.76,14.17 83.86,14.18 84.65,13.77 84.61,12.87 83.71,12.89
USBOTG_ID on BOTTOM (solid shape): 36.44,67.75 36.75,67.22 35.91,67.09 35.81,67.14 35.78,67.24 36.09,68.24
USBOTG_ID on BOTTOM (solid shape): 36.75,68.24 36.44,67.71 36.09,67.22 35.74,68.21 35.76,68.32 35.86,68.36
USBOTG_ID on BOTTOM (solid shape): 38.77,67.91 38.28,67.44 37.72,67.62 37.66,67.71 37.68,67.81 38.28,68.36
VGH on BOTTOM (solid shape): 69.6,5.05 70.02,4.54 69.13,4.21 68.93,4.28 68.85,4.47 69.1,5.46
N13785961 on BOTTOM (solid shape): 76.48,70.32 76.92,69.84 75.98,69.74 75.91,69.77 75.88,69.85 76,70.76
N13785961 on BOTTOM (solid shape): 80.53,71.19 80.85,70.66 80.01,70.56 79.93,70.6 79.91,70.68 80.19,71.68
N16209172 on BOTTOM (solid shape): 6.93,53.4 6.96,53.33 6.93,53.25 6.4,52.72 5.77,53.33 6.4,53.93
N16209176 on BOTTOM (solid shape): 6.93,40.15 6.96,40.08 6.93,40 6.4,39.47 5.77,40.08 6.4,40.68
N16267355 on BOTTOM (solid shape): 72.59,47.64 72.63,47.5 72.59,47.36 71.93,46.8 71.46,47.5 71.93,48.2
N16371216 on TOP (solid shape): 104.1,22.19 103.54,21.77 102.75,22.56 102.72,22.67 102.82,22.74 103.61,22.76
N16774335 on BOTTOM (solid shape): 6.93,37 6.96,36.92 6.93,36.85 6.4,36.32 5.77,36.92 6.4,37.53
N16774339 on BOTTOM (solid shape): 6.93,23.75 6.96,23.68 6.93,23.6 6.4,23.07 5.77,23.68 6.4,24.28
N16775756 on BOTTOM (solid shape): 88.33,56.13 88.46,56.17 88.59,56.13 89.09,55.53 88.46,54.84 87.82,55.53
N16775756 on BOTTOM (solid shape): 88.8,56.14 88.63,55.64 88.49,55.57 88.33,55.6 87.88,56.14 88.33,56.66
N16775756 on BOTTOM (solid shape): 89.09,54.27 88.48,53.55 88.31,53.51 88.16,53.58 87.82,54.27 88.47,54.96
N16776268 on BOTTOM (solid shape): 76.69,50.87 76.71,50.8 76.69,50.73 76.08,50.16 75.42,50.8 76.08,51.44
N16776300 on BOTTOM (solid shape): 81.59,50.87 81.61,50.8 81.59,50.73 80.98,50.16 80.32,50.8 80.98,51.44
N16776324 on BOTTOM (solid shape): 76.69,52.77 76.71,52.7 76.69,52.63 76.08,52.06 75.42,52.7 76.08,53.34
N16776336 on BOTTOM (solid shape): 81.59,52.77 81.61,52.7 81.59,52.63 80.98,52.06 80.32,52.7 80.98,53.34
N16776356 on BOTTOM (solid shape): 102.48,44.93 102.51,44.8 102.48,44.67 101.88,44.16 101.18,44.8 101.88,45.44
N16776368 on BOTTOM (solid shape): 101.88,42.27 101.37,41.67 101.24,41.63 101.11,41.67 100.61,42.27 101.24,42.96
N16776380 on BOTTOM (solid shape): 78.13,52.03 78.26,52.07 78.39,52.03 78.89,51.44 78.26,50.74 77.62,51.44
N16776380 on BOTTOM (solid shape): 78.89,52.06 78.39,51.47 78.26,51.43 78.13,51.47 77.62,52.06 78.26,52.76
N16776380 on BOTTOM (solid shape): 78.39,54.18 78.6,54.22 78.76,54.09 78.89,53.34 78.25,52.64 77.62,53.34
N16776396 on BOTTOM (solid shape): 73.23,52.03 73.36,52.07 73.49,52.03 73.99,51.44 73.36,50.74 72.72,51.44
N16776396 on BOTTOM (solid shape): 73.99,52.06 73.49,51.47 73.36,51.43 73.23,51.47 72.72,52.06 73.36,52.76
N16776396 on BOTTOM (solid shape): 73.34,57.31 73.57,57.28 73.67,57.07 73.42,55.84 72.93,56.25 72.5,56.76
N16776624 on BOTTOM (solid shape): 82.48,56.47 81.97,55.87 81.84,55.83 81.71,55.87 81.21,56.47 81.84,57.16
N16777489 on BOTTOM (solid shape): 18.01,63.55 18.09,63.47 18.06,63.36 17.42,62.74 16.93,63.19 17.42,63.66
N16783317 on BOTTOM (solid shape): 62.88,63.12 62.91,63.19 62.99,63.22 63.9,63.06 63.45,62.58 62.98,62.14
N16783369 on BOTTOM (solid shape): 54.01,62.15 54.19,62.19 54.34,62.09 54.42,61.56 53.95,61.04 53.5,61.56
N16783369 on BOTTOM (solid shape): 53.63,63.55 53.78,63.75 54.02,63.73 54.6,63.06 54.16,62.54 53.68,62.14
N16783371 on BOTTOM (solid shape): 55.78,63.73 56.02,63.75 56.17,63.55 56.12,62.14 55.65,62.54 55.2,63.06
N16783519 on TOP (solid shape): 51.06,66.51 51.2,66.55 51.34,66.51 51.95,65.8 51.2,65.44 50.45,65.8
N16795278 on BOTTOM (solid shape): 79.85,11.35 79.81,11.25 79.72,11.22 78.78,11.34 79.22,11.82 79.7,12.26
N16798591 on BOTTOM (solid shape): 97.08,69.73 97.15,69.55 97.08,69.37 96.63,68.92 95.94,69.55 96.63,70.18
N16798591 on BOTTOM (solid shape): 98.6,69.55 97.91,68.92 97.46,69.37 97.39,69.55 97.46,69.73 97.91,70.18
N16798591 on BOTTOM (solid shape): 96.89,69.55 96.89,68.56 96.76,68.35 96.51,68.34 95.88,68.69 95.97,69.6
N16806519 on TOP (solid shape): 104.19,73.19 104.03,72.62 103.88,72.53 103.7,72.57 103.18,73.19 103.67,73.86
N163713028 on BOTTOM (solid shape): 96.3,25.26 96.35,25.19 96.33,25.11 95.72,24.54 95.24,25 95.72,25.46
N167832841 on BOTTOM (solid shape): 61.42,63.69 61.49,63.76 61.58,63.74 62.22,63.06 61.77,62.58 61.3,63.06

Small or netless copper shapes (teardrops, artwork), in the pictures only: 242 on TOP, 256 on BOTTOM

## Text on the board
Ref Des/Silkscreen Top: ETH0 | ETH1 | D00 | D01 | D02 | D03 | USB | 1 | 0 | USBOTG | NAME:IMX28X_TEST_V10A.BRD | DATE:2017_05_23 | BY:XXXLZJXXX | CANH | SSP2,FLASH | BOOT MODE | CANL | SD/MMC | NAND | 485B | 485A | PSWITCH | RESET | G | V | T | R | DC5V | IN | OUT | UART0 | UART4 | UART3 | UART1 | DEBUG-UART
DIMENSION: FIGURE | SIZE | 0.3048 | 0.4572 | 0.8 | 0.889 | 0.9144 | 1.0008 | 1.7 | 2.032 | 3.302 | 3.4036 | 3.3 | 3.0x1.0 | DRILL CHART: TOP to BOTTOM | ALL UNITS ARE IN MILLIMETERS | PLATED | NON-PLATED | QTY | 611 | 5 | 2 | 26 | 9 | 24 | 4 | 1
